# Altium PCB PCB.PcbDoc (part 2 of 2)
Units mm, origin at the board's own origin, x right, y up, seen from the top; angles counter-clockwise.
Board outline 115.57 x 69.85 mm, 6 copper layers (Layer 1, Layer 2, Layer 3, Layer 4, Layer 5, Layer 6), stack 1.114 mm thick; 79 components, 52 nets, 254 pads, 1729 vias.
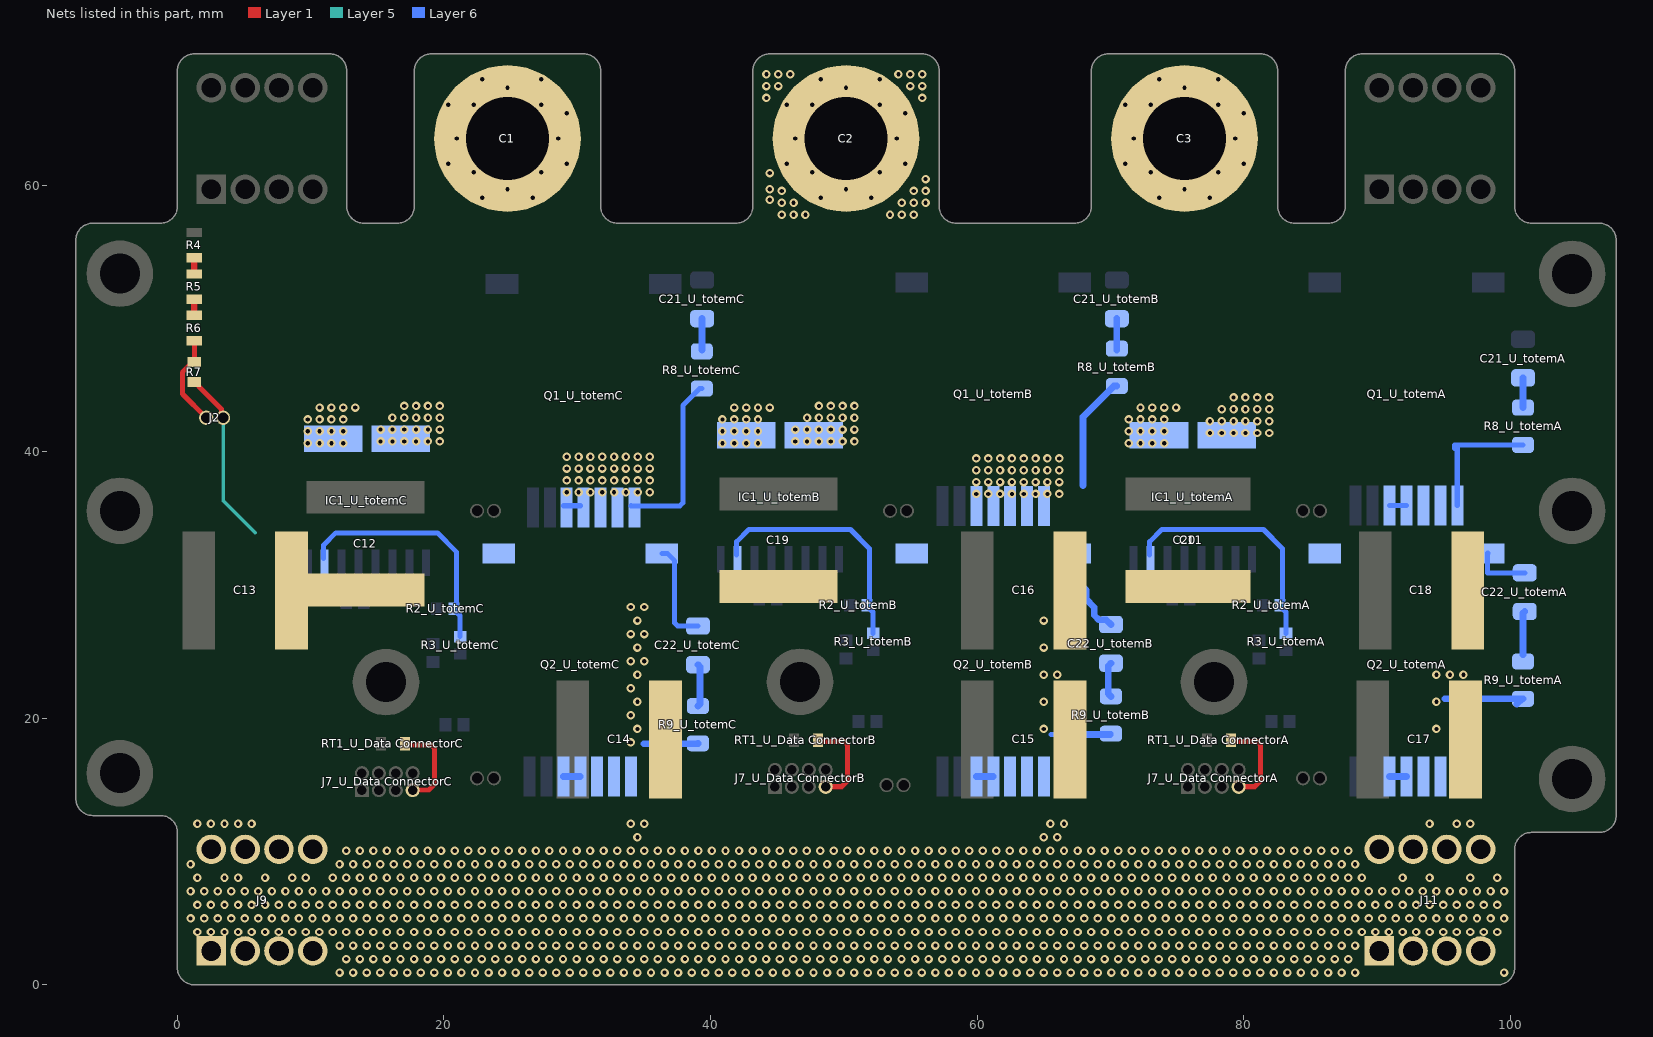
[diagram p6: the nets of this part, all layers, seen from the top]

## Via types
v1: diameter 0.635, hole 0.318, Layer 1 to Layer 6, tented both sides, 1630 vias
v2: diameter 0.635, hole 0.33, Layer 1 to Layer 6, tented both sides, 72 vias
v3: diameter 0.45, hole 0.25, Layer 1 to Layer 6, tented both sides, 15 vias
v4: diameter 0.635, hole 0.33, Layer 1 to Layer 6, 12 vias

## Nets (pads, with @x,y where several pads share a name; then routed paths per layer and width w, separated by ;. In a path a pad name is that pad's centre, name@x,y a point inside that pad or via, vN(x,y) a via of type N, cw(c..) or ccw(c..) an arc to the next point about the centre after c; other vN are vias at no path point) (continued)
HV-_1: C11.2 C12.2 C13.2 C14.2 C15.2 C16.2 C17.2 C18.2 C19.2 C20.2 J2.2 J9.1 J9.2 J9.3 J9.4 J9.5 J9.6 J9.7 J9.8 J11.1 J11.2 J11.3 J11.4 J11.5 J11.6 J11.7 J11.8 Q2_U_totemA.S Q2_U_totemB.S Q2_U_totemC.S R7.1 R9_U_totemA.1 R9_U_totemB.1 R9_U_totemC.1 | length 32.2
  Layer 1 w0.381: R7.1@1.27,45.224 1.395,45.224 1.58,45.039 1.58,44.914 3.298,43.196 3.298,42.676 J2.2@3.429,42.545
  Layer 5 w0.254: J2.2@3.429,42.545 3.429,36.322 5.842,33.909
  Layer 6 w0.381: 65.532,18.796 67.564,18.796 67.57,18.79 ; R9_U_totemB.1@69.992,18.79 R9_U_totemB.1@70.043,18.841
  Layer 6 w0.508: Q2_U_totemC.S@28.956,15.622 Q2_U_totemC.S@30.226,15.622 ; 35.001,18.085 39.055,18.085 R9_U_totemC.1@39.055,18.116 ; Q2_U_totemB.S@59.944,15.622 Q2_U_totemB.S@61.214,15.622 ; 67.57,18.79 R9_U_totemB.1@69.992,18.79 ; Q2_U_totemA.S@90.952,15.628 Q2_U_totemA.S@92.222,15.628 ; 95.12,21.46 R9_U_totemA.1@100.965,21.46 100.898,21.46 R9_U_totemA.1@100.489,21.05
  other v1: 12.167,0.914 13.183,0.914 14.199,0.914 15.215,0.914 16.231,0.914 17.247,0.914 18.263,0.914 19.279,0.914 20.295,0.914 21.311,0.914 22.327,0.914 23.343,0.914 24.359,0.914 25.375,0.914 26.391,0.914 27.407,0.914 28.423,0.914 29.439,0.914 30.455,0.914 31.471,0.914 32.487,0.914 33.503,0.914 34.519,0.914 35.535,0.914 36.551,0.914 37.567,0.914 38.583,0.914 39.599,0.914 40.615,0.914 41.631,0.914 42.647,0.914 43.663,0.914 44.679,0.914 45.695,0.914 46.711,0.914 47.727,0.914 48.743,0.914 49.759,0.914 50.775,0.914 51.791,0.914 52.807,0.914 53.823,0.914 54.839,0.914 55.855,0.914 56.871,0.914 57.887,0.914 58.903,0.914 59.919,0.914 60.935,0.914 61.951,0.914 62.967,0.914 63.983,0.914 64.999,0.914 66.015,0.914 67.031,0.914 68.047,0.914 69.063,0.914 70.079,0.914 71.095,0.914 72.111,0.914 73.127,0.914 74.143,0.914 75.159,0.914 76.175,0.914 77.191,0.914 78.207,0.914 79.223,0.914 80.239,0.914 81.255,0.914 82.271,0.914 83.287,0.914 84.303,0.914 85.319,0.914 86.335,0.914 87.351,0.914 88.367,0.914 99.543,0.914 12.675,1.93 13.691,1.93 14.707,1.93 15.723,1.93 16.739,1.93 17.755,1.93 18.771,1.93 19.787,1.93 20.803,1.93 21.819,1.93 22.835,1.93 23.851,1.93 24.867,1.93 25.883,1.93 26.899,1.93 27.915,1.93 28.931,1.93 29.947,1.93 30.963,1.93 31.979,1.93 32.995,1.93 34.011,1.93 35.027,1.93 36.043,1.93 37.059,1.93 38.075,1.93 39.091,1.93 40.107,1.93 41.123,1.93 42.139,1.93 43.155,1.93 44.171,1.93 45.187,1.93 46.203,1.93 47.219,1.93 48.235,1.93 49.251,1.93 50.267,1.93 51.283,1.93 52.299,1.93 53.315,1.93 54.331,1.93 55.347,1.93 56.363,1.93 57.379,1.93 58.395,1.93 59.411,1.93 60.427,1.93 61.443,1.93 62.459,1.93 63.475,1.93 64.491,1.93 65.507,1.93 66.523,1.93 67.539,1.93 68.555,1.93 69.571,1.93 70.587,1.93 71.603,1.93 72.619,1.93 73.635,1.93 74.651,1.93 75.667,1.93 76.683,1.93 77.699,1.93 78.715,1.93 79.731,1.93 80.747,1.93 81.763,1.93 82.779,1.93 83.795,1.93 84.811,1.93 85.827,1.93 86.843,1.93 87.859,1.93 12.167,2.946 13.183,2.946 14.199,2.946 15.215,2.946 16.231,2.946 17.247,2.946 18.263,2.946 19.279,2.946 20.295,2.946 21.311,2.946 22.327,2.946 23.343,2.946 24.359,2.946 25.375,2.946 26.391,2.946 27.407,2.946 28.423,2.946 29.439,2.946 30.455,2.946 31.471,2.946 32.487,2.946 33.503,2.946 34.519,2.946 35.535,2.946 36.551,2.946 37.567,2.946 38.583,2.946 39.599,2.946 40.615,2.946 41.631,2.946 42.647,2.946 43.663,2.946 44.679,2.946 45.695,2.946 46.711,2.946 47.727,2.946 48.743,2.946 49.759,2.946 50.775,2.946 51.791,2.946 52.807,2.946 53.823,2.946 54.839,2.946 55.855,2.946 56.871,2.946 57.887,2.946 58.903,2.946 59.919,2.946 60.935,2.946 61.951,2.946 62.967,2.946 63.983,2.946 64.999,2.946 66.015,2.946 67.031,2.946 68.047,2.946 69.063,2.946 70.079,2.946 71.095,2.946 72.111,2.946 73.127,2.946 74.143,2.946 75.159,2.946 76.175,2.946 77.191,2.946 78.207,2.946 79.223,2.946 80.239,2.946 81.255,2.946 82.271,2.946 83.287,2.946 84.303,2.946 85.319,2.946 86.335,2.946 87.351,2.946 88.367,2.946 1.499,3.962 2.515,3.962 3.531,3.962 4.547,3.962 5.563,3.962 6.579,3.962 7.595,3.962 8.611,3.962 9.627,3.962 10.643,3.962 11.659,3.962 12.675,3.962 13.691,3.962 14.707,3.962 15.723,3.962 16.739,3.962 17.755,3.962 18.771,3.962 19.787,3.962 20.803,3.962 21.819,3.962 22.835,3.962 23.851,3.962 24.867,3.962 25.883,3.962 26.899,3.962 27.915,3.962 28.931,3.962 29.947,3.962 30.963,3.962 31.979,3.962 32.995,3.962 34.011,3.962 35.027,3.962 36.043,3.962 37.059,3.962 38.075,3.962 39.091,3.962 40.107,3.962 41.123,3.962 42.139,3.962 43.155,3.962 44.171,3.962 45.187,3.962 46.203,3.962 47.219,3.962 48.235,3.962 49.251,3.962 50.267,3.962 51.283,3.962 52.299,3.962 53.315,3.962 54.331,3.962 55.347,3.962 56.363,3.962 57.379,3.962 58.395,3.962 59.411,3.962 60.427,3.962 61.443,3.962 62.459,3.962 63.475,3.962 64.491,3.962 65.507,3.962 66.523,3.962 67.539,3.962 68.555,3.962 69.571,3.962 70.587,3.962 71.603,3.962 72.619,3.962 73.635,3.962 74.651,3.962 75.667,3.962 76.683,3.962 77.699,3.962 78.715,3.962 79.731,3.962 80.747,3.962 81.763,3.962 82.779,3.962 83.795,3.962 84.811,3.962 85.827,3.962 86.843,3.962 87.859,3.962 88.875,3.962 89.891,3.962 90.907,3.962 91.923,3.962 92.939,3.962 93.955,3.962 94.971,3.962 95.987,3.962 97.003,3.962 98.019,3.962 99.035,3.962 0.991,4.978 2.007,4.978 3.023,4.978 4.039,4.978 5.055,4.978 6.071,4.978 7.087,4.978 8.103,4.978 9.119,4.978 10.135,4.978 11.151,4.978 12.167,4.978 13.183,4.978 14.199,4.978 15.215,4.978 16.231,4.978 17.247,4.978 18.263,4.978 19.279,4.978 20.295,4.978 21.311,4.978 22.327,4.978 23.343,4.978 24.359,4.978 25.375,4.978 26.391,4.978 27.407,4.978 28.423,4.978 29.439,4.978 30.455,4.978 31.471,4.978 32.487,4.978 33.503,4.978 34.519,4.978 35.535,4.978 36.551,4.978 37.567,4.978 38.583,4.978 39.599,4.978 40.615,4.978 41.631,4.978 42.647,4.978 43.663,4.978 44.679,4.978 45.695,4.978 46.711,4.978 47.727,4.978 48.743,4.978 49.759,4.978 50.775,4.978 51.791,4.978 52.807,4.978 53.823,4.978 54.839,4.978 55.855,4.978 56.871,4.978 57.887,4.978 58.903,4.978 59.919,4.978 60.935,4.978 61.951,4.978 62.967,4.978 63.983,4.978 64.999,4.978 66.015,4.978 67.031,4.978 68.047,4.978 69.063,4.978 70.079,4.978 71.095,4.978 72.111,4.978 73.127,4.978 74.143,4.978 75.159,4.978 76.175,4.978 77.191,4.978 78.207,4.978 79.223,4.978 80.239,4.978 81.255,4.978 82.271,4.978 83.287,4.978 84.303,4.978 85.319,4.978 86.335,4.978 87.351,4.978 88.367,4.978 89.383,4.978 90.399,4.978 91.415,4.978 92.431,4.978 93.447,4.978 94.463,4.978 95.479,4.978 96.495,4.978 97.511,4.978 98.527,4.978 99.543,4.978 1.499,5.994 2.515,5.994 3.531,5.994 4.547,5.994 5.563,5.994 6.579,5.994 7.595,5.994 8.611,5.994 9.627,5.994 10.643,5.994 11.659,5.994 12.675,5.994 13.691,5.994 14.707,5.994 15.723,5.994 16.739,5.994 17.755,5.994 18.771,5.994 19.787,5.994 20.803,5.994 21.819,5.994 22.835,5.994 23.851,5.994 24.867,5.994 25.883,5.994 26.899,5.994 27.915,5.994 28.931,5.994 29.947,5.994 30.963,5.994 31.979,5.994 32.995,5.994 34.011,5.994 35.027,5.994 36.043,5.994 37.059,5.994 38.075,5.994 39.091,5.994 40.107,5.994 41.123,5.994 42.139,5.994 43.155,5.994 44.171,5.994 45.187,5.994 46.203,5.994 47.219,5.994 48.235,5.994 49.251,5.994 50.267,5.994 51.283,5.994 52.299,5.994 53.315,5.994 54.331,5.994 55.347,5.994 56.363,5.994 57.379,5.994 58.395,5.994 59.411,5.994 60.427,5.994 61.443,5.994 62.459,5.994 63.475,5.994 64.491,5.994 65.507,5.994 66.523,5.994 67.539,5.994 68.555,5.994 69.571,5.994 70.587,5.994 71.603,5.994 72.619,5.994 73.635,5.994 74.651,5.994 75.667,5.994 76.683,5.994 77.699,5.994 78.715,5.994 79.731,5.994 80.747,5.994 81.763,5.994 82.779,5.994 83.795,5.994 84.811,5.994 85.827,5.994 86.843,5.994 87.859,5.994 88.875,5.994 89.891,5.994 90.907,5.994 91.923,5.994 92.939,5.994 93.955,5.994 94.971,5.994 95.987,5.994 97.003,5.994 98.019,5.994 99.035,5.994 0.991,7.01 2.007,7.01 3.023,7.01 4.039,7.01 5.055,7.01 6.071,7.01 7.087,7.01 8.103,7.01 9.119,7.01 10.135,7.01 11.151,7.01 12.167,7.01 13.183,7.01 14.199,7.01 15.215,7.01 16.231,7.01 17.247,7.01 18.263,7.01 19.279,7.01 20.295,7.01 21.311,7.01 22.327,7.01 23.343,7.01 24.359,7.01 25.375,7.01 26.391,7.01 27.407,7.01 28.423,7.01 29.439,7.01 30.455,7.01 31.471,7.01 32.487,7.01 33.503,7.01 34.519,7.01 35.535,7.01 36.551,7.01 37.567,7.01 38.583,7.01 39.599,7.01 40.615,7.01 41.631,7.01 42.647,7.01 43.663,7.01 44.679,7.01 45.695,7.01 46.711,7.01 47.727,7.01 48.743,7.01 49.759,7.01 50.775,7.01 51.791,7.01 52.807,7.01 53.823,7.01 54.839,7.01 55.855,7.01 56.871,7.01 57.887,7.01 58.903,7.01 59.919,7.01 60.935,7.01 61.951,7.01 62.967,7.01 63.983,7.01 64.999,7.01 66.015,7.01 67.031,7.01 68.047,7.01 69.063,7.01 70.079,7.01 71.095,7.01 72.111,7.01 73.127,7.01 74.143,7.01 75.159,7.01 76.175,7.01 77.191,7.01 78.207,7.01 79.223,7.01 80.239,7.01 81.255,7.01 82.271,7.01 83.287,7.01 84.303,7.01 85.319,7.01 86.335,7.01 87.351,7.01 88.367,7.01 89.383,7.01 90.399,7.01 91.415,7.01 92.431,7.01 93.447,7.01 94.463,7.01 95.479,7.01 96.495,7.01 97.511,7.01 98.527,7.01 99.543,7.01 1.499,8.026 3.531,8.026 4.547,8.026 6.579,8.026 8.611,8.026 9.627,8.026 11.659,8.026 12.675,8.026 13.691,8.026 14.707,8.026 15.723,8.026 16.739,8.026 17.755,8.026 18.771,8.026 19.787,8.026 20.803,8.026 21.819,8.026 22.835,8.026 23.851,8.026 24.867,8.026 25.883,8.026 26.899,8.026 27.915,8.026 28.931,8.026 29.947,8.026 30.963,8.026 31.979,8.026 32.995,8.026 34.011,8.026 35.027,8.026 36.043,8.026 37.059,8.026 38.075,8.026 39.091,8.026 40.107,8.026 41.123,8.026 42.139,8.026 43.155,8.026 44.171,8.026 45.187,8.026 46.203,8.026 47.219,8.026 48.235,8.026 49.251,8.026 50.267,8.026 51.283,8.026 52.299,8.026 53.315,8.026 54.331,8.026 55.347,8.026 56.363,8.026 57.379,8.026 58.395,8.026 59.411,8.026 60.427,8.026 61.443,8.026 62.459,8.026 63.475,8.026 64.491,8.026 65.507,8.026 66.523,8.026 67.539,8.026 68.555,8.026 69.571,8.026 70.587,8.026 71.603,8.026 72.619,8.026 73.635,8.026 74.651,8.026 75.667,8.026 76.683,8.026 77.699,8.026 78.715,8.026 79.731,8.026 80.747,8.026 81.763,8.026 82.779,8.026 83.795,8.026 84.811,8.026 85.827,8.026 86.843,8.026 87.859,8.026 88.875,8.026 91.923,8.026 93.955,8.026 97.003,8.026 99.035,8.026 0.991,9.042 12.167,9.042 13.183,9.042 14.199,9.042 15.215,9.042 16.231,9.042 17.247,9.042 18.263,9.042 19.279,9.042 20.295,9.042 21.311,9.042 22.327,9.042 23.343,9.042 24.359,9.042 25.375,9.042 26.391,9.042 27.407,9.042 28.423,9.042 29.439,9.042 30.455,9.042 31.471,9.042 32.487,9.042 33.503,9.042 34.519,9.042 35.535,9.042 36.551,9.042 37.567,9.042 38.583,9.042 39.599,9.042 40.615,9.042 41.631,9.042 42.647,9.042 43.663,9.042 44.679,9.042 45.695,9.042 46.711,9.042 47.727,9.042 48.743,9.042 49.759,9.042 50.775,9.042 51.791,9.042 52.807,9.042 53.823,9.042 54.839,9.042 55.855,9.042 56.871,9.042 57.887,9.042 58.903,9.042 59.919,9.042 60.935,9.042 61.951,9.042 62.967,9.042 63.983,9.042 64.999,9.042 66.015,9.042 67.031,9.042 68.047,9.042 69.063,9.042 70.079,9.042 71.095,9.042 72.111,9.042 73.127,9.042 74.143,9.042 75.159,9.042 76.175,9.042 77.191,9.042 78.207,9.042 79.223,9.042 80.239,9.042 81.255,9.042 82.271,9.042 83.287,9.042 84.303,9.042 85.319,9.042 86.335,9.042 87.351,9.042 88.367,9.042 12.675,10.058 13.691,10.058 14.707,10.058 15.723,10.058 16.739,10.058 17.755,10.058 18.771,10.058 19.787,10.058 20.803,10.058 21.819,10.058 22.835,10.058 23.851,10.058 24.867,10.058 25.883,10.058 26.899,10.058 27.915,10.058 28.931,10.058 29.947,10.058 30.963,10.058 31.979,10.058 32.995,10.058 34.011,10.058 35.027,10.058 36.043,10.058 37.059,10.058 38.075,10.058 39.091,10.058 40.107,10.058 41.123,10.058 42.139,10.058 43.155,10.058 44.171,10.058 45.187,10.058 46.203,10.058 47.219,10.058 48.235,10.058 49.251,10.058 50.267,10.058 51.283,10.058 52.299,10.058 53.315,10.058 54.331,10.058 55.347,10.058 56.363,10.058 57.379,10.058 58.395,10.058 59.411,10.058 60.427,10.058 61.443,10.058 62.459,10.058 63.475,10.058 64.491,10.058 65.507,10.058 66.523,10.058 67.539,10.058 68.555,10.058 69.571,10.058 70.587,10.058 71.603,10.058 72.619,10.058 73.635,10.058 74.651,10.058 75.667,10.058 76.683,10.058 77.699,10.058 78.715,10.058 79.731,10.058 80.747,10.058 81.763,10.058 82.779,10.058 83.795,10.058 84.811,10.058 85.827,10.058 86.843,10.058 87.859,10.058 34.519,11.074 64.999,11.074 66.015,11.074 1.499,12.09 2.515,12.09 3.531,12.09 4.547,12.09 5.563,12.09 34.011,12.09 35.027,12.09 65.507,12.09 66.523,12.09 93.955,12.09 95.987,12.09 97.003,12.09 34.011,18.186 34.519,19.202 64.999,19.202 94.463,19.202 34.011,20.218 34.519,21.234 64.999,21.234 94.463,21.234 34.011,22.25 34.519,23.266 64.999,23.266 66.015,23.266 94.463,23.266 95.479,23.266 96.495,23.266 34.011,24.282 35.027,24.282 34.519,25.298 64.999,25.298 34.011,26.314 35.027,26.314 34.519,27.33 64.999,27.33 34.011,28.346 35.027,28.346
NetC21_U_totemA_1: C21_U_totemA.1 R8_U_totemA.2 | length 2.2
  Layer 6 w0.508: R8_U_totemA.2@100.965,43.31 C21_U_totemA.1@100.965,45.54
NetC21_U_totemB_1: C21_U_totemB.1 R8_U_totemB.2 | length 2.4
  Layer 6 w0.508: R8_U_totemB.2@70.485,47.625 C21_U_totemB.1@70.485,49.985
NetC21_U_totemC_1: C21_U_totemC.1 R8_U_totemC.2 | length 2.4
  Layer 6 w0.508: R8_U_totemC.2@39.37,47.625 C21_U_totemC.1@39.37,49.985
NetC22_U_totemA_1: C22_U_totemA.1 R9_U_totemA.2 | length 3.3
  Layer 6 w0.508: R9_U_totemA.2@100.965,24.765 100.965,27.887 C22_U_totemA.1@101.092,28.014
NetC22_U_totemA_2: C22_U_totemA.2 IC1_U_totemA.2 Q1_U_totemA.S Q2_U_totemA.D R8_U_totemA.1 | length 15.5
  Layer 6 w0.381: Q1_U_totemA.S@90.952,35.948 Q1_U_totemA.S@92.222,35.948 ; Q1_U_totemA.S@96.032,35.948 96.032,40.259 95.834,40.259 95.834,40.51 R8_U_totemA.1@100.965,40.51 ; Q2_U_totemA.D@98.347,32.378 98.298,32.378 98.298,30.914 C22_U_totemA.2@101.092,30.914
  other v1: 77.47,41.402 78.359,41.402 79.248,41.402 80.137,41.402 81.026,41.402 81.915,41.402 77.47,42.291 78.359,42.291 79.248,42.291 80.137,42.291 81.026,42.291 81.915,42.291 78.359,43.18 79.248,43.18 80.137,43.18 81.026,43.18 81.915,43.18 79.248,44.069 80.137,44.069 81.026,44.069 81.915,44.069
NetC22_U_totemB_1: C22_U_totemB.1 R9_U_totemB.2 | length 2.7
  Layer 6 w0.508: R9_U_totemB.2@70.043,21.641 69.85,21.835 69.85,23.941 C22_U_totemB.1@70.043,24.134
NetC22_U_totemB_2: C22_U_totemB.2 IC1_U_totemB.2 Q1_U_totemB.S Q2_U_totemB.D R8_U_totemB.1 | length 15.4
  Layer 6 w0.508: Q2_U_totemB.D@67.339,32.372 67.6,32.111 67.6,30.2 68.2,29.6 68.2,28.894 68.794,28.3 68.794,27.728 69.135,27.386 69.691,27.386 C22_U_totemB.2@70.043,27.034 ; 67.945,37.465 67.945,37.592 67.945,42.616 70.26,44.931 R8_U_totemB.1@70.485,44.931
  other v1: 59.944,36.83 60.833,36.83 61.722,36.83 62.611,36.83 63.5,36.83 64.389,36.83 65.278,36.83 66.167,36.83 59.944,37.719 60.833,37.719 61.722,37.719 62.611,37.719 63.5,37.719 64.389,37.719 65.278,37.719 66.167,37.719 59.944,38.608 60.833,38.608 61.722,38.608 62.611,38.608 63.5,38.608 64.389,38.608 65.278,38.608 66.167,38.608 59.944,39.497 60.833,39.497 61.722,39.497 62.611,39.497 63.5,39.497 64.389,39.497 65.278,39.497 66.167,39.497 46.355,40.767 47.244,40.767 48.133,40.767 49.022,40.767 49.911,40.767 50.8,40.767 46.355,41.656 47.244,41.656 48.133,41.656 49.022,41.656 49.911,41.656 50.8,41.656 47.244,42.545 48.133,42.545 49.022,42.545 49.911,42.545 50.8,42.545 48.133,43.434 49.022,43.434 49.911,43.434 50.8,43.434
NetC22_U_totemC_1: C22_U_totemC.1 R9_U_totemC.2 | length 3.2
  Layer 6 w0.508: R9_U_totemC.2@39.055,20.916 39.213,21.074 39.213,23.865 C22_U_totemC.1@39.055,24.022
NetC22_U_totemC_2: C22_U_totemC.2 IC1_U_totemC.2 Q1_U_totemC.S Q2_U_totemC.D R8_U_totemC.1 | length 22.2
  Layer 6 w0.381: Q1_U_totemC.S@28.956,35.942 Q1_U_totemC.S@30.226,35.942 ; Q1_U_totemC.S@34.036,35.941 37.699,35.941 37.922,36.164 37.922,43.462 38.71,44.25 38.71,44.258 39.179,44.726 R8_U_totemC.1@39.345,44.726 ; Q2_U_totemC.D@36.351,32.372 36.753,32.372 37.313,31.812 37.313,27.145 37.536,26.922 C22_U_totemC.2@39.055,26.922
  other v1: 29.21,36.957 30.099,36.957 30.988,36.957 31.877,36.957 32.766,36.957 33.655,36.957 34.544,36.957 35.433,36.957 29.21,37.846 30.099,37.846 30.988,37.846 31.877,37.846 32.766,37.846 33.655,37.846 34.544,37.846 35.433,37.846 29.21,38.735 30.099,38.735 30.988,38.735 31.877,38.735 32.766,38.735 33.655,38.735 34.544,38.735 35.433,38.735 29.21,39.624 30.099,39.624 30.988,39.624 31.877,39.624 32.766,39.624 33.655,39.624 34.544,39.624 35.433,39.624 15.24,40.767 16.129,40.767 17.018,40.767 17.907,40.767 18.796,40.767 19.685,40.767 15.24,41.656 16.129,41.656 17.018,41.656 17.907,41.656 18.796,41.656 19.685,41.656 16.129,42.545 17.018,42.545 17.907,42.545 18.796,42.545 19.685,42.545 17.018,43.434 17.907,43.434 18.796,43.434 19.685,43.434
NetIC1_U_totemA_9: IC1_U_totemA.9 R2_U_totemA.1 R3_U_totemA.1 | length 18.5
  Layer 6 w0.381: IC1_U_totemA.9@72.949,32.258 72.949,33.249 73.863,34.163 81.483,34.163 82.906,32.741 82.906,28.651 R2_U_totemA.1@82.728,28.473 ; R2_U_totemA.1@82.728,28.423 83.185,27.966 R3_U_totemA.1@83.185,26.38
NetIC1_U_totemB_9: IC1_U_totemB.9 R2_U_totemB.1 R3_U_totemB.1 | length 18.5
  Layer 6 w0.381: IC1_U_totemB.9@41.961,32.258 41.961,33.249 42.875,34.163 50.495,34.163 51.918,32.741 51.918,28.651 R2_U_totemB.1@51.74,28.473 ; R2_U_totemB.1@51.74,28.423 52.197,27.966 R3_U_totemB.1@52.197,26.38
NetIC1_U_totemC_9: IC1_U_totemC.9 R2_U_totemC.1 R3_U_totemC.1 | length 18.5
  Layer 6 w0.381: IC1_U_totemC.9@10.973,32.004 10.973,32.995 11.887,33.909 19.507,33.909 20.93,32.487 20.93,28.397 R2_U_totemC.1@20.752,28.219 ; R2_U_totemC.1@20.752,28.169 21.209,27.712 R3_U_totemC.1@21.209,26.126
"NetJ7_U_Data ConnectorA_07": "J7_U_Data ConnectorA.07" "RT1_U_Data ConnectorA.2" | length 6.9
  Layer 1 w0.381: 79.041,18.339 79.134,18.246 81.031,18.246 81.255,18.023 81.255,15.291 80.823,14.859 79.908,14.859 79.705,14.656
"NetJ7_U_Data ConnectorB_07": "J7_U_Data ConnectorB.07" "RT1_U_Data ConnectorB.2" | length 6.9
  Layer 1 w0.381: 48.053,18.339 48.146,18.246 50.043,18.246 50.267,18.023 50.267,15.291 49.835,14.859 48.92,14.859 48.717,14.656
"NetJ7_U_Data ConnectorC_07": "J7_U_Data ConnectorC.07" "RT1_U_Data ConnectorC.2" | length 6.9
  Layer 1 w0.381: 17.065,18.085 17.158,17.992 19.055,17.992 19.279,17.769 19.279,15.037 18.847,14.605 17.932,14.605 17.729,14.402
NetR4_1: R4.1 R5.2 | length 1.2
  Layer 1 w0.508: R5.2@1.27,53.335 R4.1@1.27,54.549
NetR5_1: R5.1 R6.2 | length 1.2
  Layer 1 w0.508: R6.2@1.27,50.226 R5.1@1.27,51.435
SENSE+: J2.1 R6.1 R7.2 | length 7
  Layer 1 w0.381: R6.1@1.27,48.326 R7.2@1.27,46.724 1.145,46.724 0.376,45.955 0.376,44.328 J2.1@2.159,42.545
U_1: C1.1 IC1_U_totemC.1
  other v1: 9.779,40.64 10.668,40.64 11.557,40.64 12.446,40.64 9.779,41.529 10.668,41.529 11.557,41.529 12.446,41.529 9.779,42.418 10.668,42.418 11.557,42.418 12.446,42.418 10.668,43.307 11.557,43.307 12.446,43.307 13.335,43.307
  other v2: 22.86,59.055 26.67,59.055 24.765,59.69 22.225,60.96 27.305,60.96 20.32,61.595 29.21,61.595 20.955,63.5 29.21,65.405 20.32,66.04 22.225,66.04 27.305,66.04 24.765,67.31 22.86,67.945 27.305,67.945
  other v4: 28.575,63.5
V_1: C2.1 IC1_U_totemB.1
  other v1: 40.894,40.64 41.783,40.64 42.672,40.64 43.561,40.64 40.894,41.529 41.783,41.529 42.672,41.529 43.561,41.529 40.894,42.418 41.783,42.418 42.672,42.418 43.561,42.418 41.783,43.307 42.672,43.307 43.561,43.307 44.45,43.307 45.339,57.785 46.228,57.785 47.117,57.785 53.467,57.785 54.356,57.785 55.245,57.785 45.339,58.674 46.228,58.674 54.356,58.674 55.245,58.674 56.134,58.674 44.45,58.903 45.339,59.563 55.245,59.563 56.134,59.563 44.45,59.69 56.134,60.452 44.45,60.909 44.196,66.548 55.88,66.548 44.196,67.437 45.085,67.437 54.991,67.437 55.88,67.437 44.196,68.326 45.085,68.326 45.974,68.326 54.102,68.326 54.991,68.326 55.88,68.326
  other v2: 48.26,59.055 52.07,59.055 50.165,59.69 47.625,60.96 52.705,60.96 45.72,61.595 54.61,61.595 46.355,63.5 54.61,65.405 45.72,66.04 47.625,66.04 52.705,66.04 50.165,67.31 48.26,67.945 52.705,67.945
  other v4: 53.975,63.5
W_1: C3.1 IC1_U_totemA.1
  other v1: 71.374,40.64 72.263,40.64 73.152,40.64 74.041,40.64 71.374,41.529 72.263,41.529 73.152,41.529 74.041,41.529 71.374,42.418 72.263,42.418 73.152,42.418 74.041,42.418 72.263,43.307 73.152,43.307 74.041,43.307 74.93,43.307
  other v2: 73.66,59.055 77.47,59.055 75.565,59.69 73.025,60.96 78.105,60.96 71.12,61.595 80.01,61.595 71.755,63.5 80.01,65.405 71.12,66.04 73.025,66.04 78.105,66.04 75.565,67.31 73.66,67.945 78.105,67.945
  other v4: 79.375,63.5
pads on no net: "J7_U_Data ConnectorA.06" "J7_U_Data ConnectorA.08" "J7_U_Data ConnectorB.06" "J7_U_Data ConnectorB.08" "J7_U_Data ConnectorC.06" "J7_U_Data ConnectorC.08" C11.1@15.646,22.708 C12.1@46.711,22.733 C13.1@77.775,22.708 IC1_U_totemA.4 IC1_U_totemA.10 IC1_U_totemB.4 IC1_U_totemB.10 IC1_U_totemC.4 IC1_U_totemC.10
copper on no net:
  other v2: 15.646,20.803 77.775,20.803 46.711,20.828 13.741,22.708 17.551,22.708 75.87,22.708 79.68,22.708 44.806,22.733 48.616,22.733
  other v4: 15.646,24.613 77.775,24.613 46.711,24.638

## Polygon pours and split planes (outlines as drawn)
no net on Bottom Solder "NONET_L01_P-001" (solid): 34.925,11.43 34.925,19.05 28.575,19.05 28.575,11.43
no net on Bottom Solder "U_1_L06_P296" (solid): 24.257,56.261 17.526,56.261 18.161,56.896 18.161,70.231 32.131,70.231 32.131,57.531 30.861,56.261
U_1 on Bottom Solder "U_1_L06_P296" (solid, pour order 296): 8.89,40.64 10.16,39.37 13.97,39.37 13.97,42.164 18.161,46.355 20.955,46.355 21.844,47.244 21.844,53.848 22.86,54.864 16.129,54.864 8.89,47.625
no net on Bottom Solder "NONET_L01_P-001" (solid): 54.102,55.88 57.15,58.928 57.15,69.85 41.656,69.85 41.656,55.88
no net on Bottom Solder "NONET_L01_P-001" (solid): 71.628,55.88 68.58,58.928 68.58,69.85 82.55,69.85 82.55,55.88
W_1 on Bottom Solder "Bottom Layer 8-W_1" (solid, pour order 298): 70.79,40.335 71.12,40.005 75.819,40.005 75.819,42.799 80.01,46.99 81.407,46.99 82.55,48.133 82.55,54.61 72.39,54.61 72.644,54.356 72.644,44.348 70.79,42.494
V_1 on Bottom Solder "Bottom Layer 8-V_1" (solid, pour order 297): 39.37,40.005 40.005,39.37 44.958,39.37 44.958,42.672 48.641,46.355 51.689,46.355 52.324,46.99 52.324,54.102 52.578,54.356 41.275,54.356 41.275,43.485 39.37,41.58
no net on Bottom Solder "NONET_L01_P-001" (solid): 97.155,11.43 97.155,18.415 90.805,18.415 90.805,11.43
no net on Bottom Solder "NONET_L01_P-001" (solid): 66.04,11.43 66.04,18.415 59.69,18.415 59.69,11.43
no net on Bottom Solder "NONET_L01_P-001" (solid): 0,11.43 0,0 100.33,0 100.33,11.43
no net on Bottom Solder "NONET_L01_P-001" (solid): 28.702,53.848 22.86,53.848 22.86,51.562 37.592,51.562 37.592,53.848
no net on Bottom Solder "NONET_L01_P-001" (solid): 59.69,53.848 53.848,53.848 53.848,51.562 68.58,51.562 68.58,53.848
no net on Bottom Solder "NONET_L01_P-001" (solid): 90.678,53.594 84.836,53.594 84.836,51.308 99.568,51.308 99.568,53.594
no net on Bottom Solder "NONET_L01_P-001" (solid): 28.702,33.782 22.86,33.782 22.86,31.496 37.592,31.496 37.592,38.354 28.702,38.354
no net on Bottom Solder "NONET_L01_P-001" (solid): 59.69,33.782 53.848,33.782 53.848,31.496 68.58,31.496 68.58,38.354 59.69,38.354
no net on Bottom Solder "NONET_L01_P-001" (solid): 90.678,33.528 84.836,33.528 84.836,31.242 99.568,31.242 99.568,38.1 90.678,38.1
no net on Top Solder "NONET_L01_P-001" (solid): 83.82,71.12 83.82,57.15 16.51,57.15 16.51,71.12
no net on Top Solder "NONET_L01_P-001" (solid): 27.94,34.036 29.21,34.036 29.21,13.97 27.94,13.97
no net on Top Solder "NONET_L01_P-001" (solid): 68.58,45.72 68.58,35.56 71.12,35.56 71.12,38.1 70.485,38.1 70.485,45.72
no net on Top Solder "NONET_L01_P-001" (solid): 38.1,45.72 38.1,35.56 40.64,35.56 40.64,38.1 40.005,38.1 40.005,45.72
no net on Top Solder "NONET_L01_P-001" (solid): 97.155,11.43 97.155,33.655 100.33,33.655 100.33,11.43
no net on Top Solder "NONET_L01_P-001" (solid): 67.31,33.655 67.31,11.43 71.12,11.43 71.12,33.655
no net on Top Solder "NONET_L01_P-001" (solid): 36.83,11.43 36.83,33.655 40.64,33.655 40.64,11.43
no net on Top Solder "NONET_L01_P-001" (solid): 0,11.43 0,0 100.33,0 100.33,11.43 0.635,11.43
no net on Top Solder "NONET_L01_P-001" (solid): 58.42,34.036 59.69,34.036 59.69,13.97 58.42,13.97
no net on Top Solder "NONET_L01_P-001" (solid): 89.535,45.72 89.535,13.97 86.995,13.97 86.995,45.72
no net on Top Solder "NONET_L01_P-001" (solid): 58.42,45.72 58.42,13.97 55.88,13.97 55.88,45.72
no net on Top Solder "NONET_L01_P-001" (solid): 27.94,45.72 27.94,13.97 25.4,13.97 25.4,45.72
no net on Top Solder "NONET_L01_P-001" (solid): 0,69.85 0,58.42 3.175,58.42 3.175,45.72 100.33,45.72 100.33,71.12 87.63,71.12 87.63,55.245 12.7,55.245 12.7,69.85
"GND_U_Data ConnectorB" on Layer 4 "GND_U_DATA_CONNECTORB_L04_P325" (solid, pour order 325): 39.98,34.011 52.984,34.011 52.984,11.887 39.98,11.887
"GND_U_Data ConnectorC" on Layer 4 "GND_U_DATA_CONNECTORC_L04_P324" (solid, pour order 324): 21.971,11.913 21.971,34.011 7.391,34.011 7.391,11.913
"GND_U_Data ConnectorA" on Layer 4 "GND_U_DATA_CONNECTORA_L04_P326" (solid, pour order 326): 70.18,12.065 70.18,34.036 84.252,34.036 84.252,12.065
HV-_1 on Layer 4 "Bottom Layer 8-HV-_1" (solid, pour order 227): 0,43.815 0.635,44.45 5.715,44.45 6.341,43.815 6.341,11.524 6.35,11.43 22.86,11.43 22.86,28.575 23.495,29.21 37.465,29.21 38.1,28.575 38.1,11.43 53.975,11.43 53.975,28.575 54.61,29.21 68.58,29.21 68.58,11.43 85.09,11.43 85.09,28.575 85.725,29.21 99.06,29.21 99.695,28.575 99.695,10.795 100.457,10.795 100.457,-1.27 -3.81,-1.27 -3.81,11.43 0,11.43
NetC22_U_totemA_2 on Layer 4 "NETC22_U_TOTEMA_2_L04_P226" (solid, pour order 226): 85.09,31.115 85.725,30.48 99.06,30.48 99.695,31.115 99.695,45.72 99.06,46.355 80.391,46.355 76.581,42.545 76.581,40.005 81.915,40.005 83.82,38.1 83.82,34.925 85.09,33.655
HV+_1 on Layer 4 "Bottom Layer 8-HV+_1 1" (solid, pour order 237): 7.62,48.26 12.7,53.34 12.7,58.42 0,58.42 0,46.355 0.635,45.72 6.985,45.72 7.62,46.355
HV+_1 on Layer 4 "HV+_1_L04_P234" (solid, pour order 234): 0,58.42 13.335,58.42 13.335,70.485 0,70.485
CHASSIS_L on Layer 4 "CHASSIS_L_L04_P236" (solid, pour order 236): -1.016,57.785 -6.985,57.785 -8.89,55.88 -8.89,11.43 -7.62,10.16 -1.016,10.16
HV+_1 on Layer 4 "Bottom Layer 8-HV+_1" (solid, pour order 233): 83.82,55.245 84.455,55.88 87.63,55.88 87.63,69.85 99.695,69.85 99.695,48.26 99.06,47.625 84.455,47.625 83.82,48.26
CHASSIS_R on Layer 4 "CHASSIS_R_L04_P235" (solid, pour order 235): 103.505,40.005 103.505,49.53 100.965,52.07 100.965,54.61 100.965,57.785 107.315,57.785 109.22,55.88 109.22,11.43 107.95,10.16 100.965,10.16 100.965,14.605 100.965,17.145 103.505,19.685 103.505,31.75 100.965,34.29 100.965,37.465
U_1 on Layer 4 "U_1_L04_P238" (solid, pour order 238): 8.89,40.64 10.16,39.37 13.97,39.37 13.97,42.164 18.161,46.355 20.955,46.355 21.844,47.244 21.844,53.848 23.876,55.88 30.48,55.88 31.75,57.15 31.75,69.85 17.78,69.85 17.78,57.15 8.89,48.26
V_1 on Layer 4 "Bottom Layer 8-V_1" (solid, pour order 239): 39.37,40.005 40.005,39.37 44.958,39.37 44.958,42.672 48.641,46.355 51.689,46.355 52.324,46.99 52.324,54.102 57.15,58.928 57.15,70.485 43.18,70.485 43.18,61.595 41.275,61.595 41.275,43.815 39.37,41.91
W_1 on Layer 4 "Bottom Layer 8-W_1" (solid, pour order 240): 70.485,40.64 71.12,40.005 75.819,40.005 75.819,42.799 80.01,46.99 81.407,46.99 82.55,48.133 82.55,71.12 71.12,71.12 71.12,70.485 67.945,70.485 67.945,59.055 72.644,54.356 72.644,44.704 70.485,42.545
HV+_1 on Layer 4 "HV+_1_L04_P232" (solid, pour order 232): 68.58,54.61 67.945,55.245 55.245,55.245 53.34,53.34 53.34,47.625 53.975,46.99 67.945,46.99 68.58,47.625
NetC22_U_totemB_2 on Layer 4 "NETC22_U_TOTEMB_2_L04_P225" (solid, pour order 225): 67.945,45.72 68.58,45.085 68.58,31.115 67.945,30.48 54.61,30.48 53.975,31.115 53.975,33.02 52.705,34.29 52.705,37.465 50.8,39.37 45.466,39.37 45.466,42.291 48.895,45.72
NetC22_U_totemC_2 on Layer 4 "NETC22_U_TOTEMC_2_L04_P224" (solid, pour order 224): 37.465,45.72 38.1,45.085 38.1,31.115 37.465,30.48 23.495,30.48 22.86,31.115 22.86,33.02 21.59,34.29 21.59,36.83 19.05,39.37 14.478,39.37 14.478,41.91 18.288,45.72
HV+_1 on Layer 4 "HV+_1_L04_P231" (solid, pour order 231): 22.86,47.625 23.495,46.99 37.465,46.99 38.1,47.625 38.1,54.61 37.465,55.245 24.511,55.245 22.86,53.594
HV-_1 on Layer 2 "HV-_1_L02_P178" (solid, pour order 178): 51.689,34.036 53.086,32.639 53.086,11.43 33.02,11.43 33.02,33.02 34.036,34.036
HV-_1 on Layer 2 "HV-_1_L02_P174" (solid, pour order 174): 20.574,34.036 21.946,32.664 21.946,11.43 5.715,11.43 5.715,33.02 6.731,34.036
HV-_1 on Layer 2 "HV-_1_L02_P180" (solid, pour order 180): 82.804,34.036 83.82,33.02 83.82,11.43 64.135,11.43 64.135,33.02 65.151,34.036
HV+_1 on Layer 2 "HV+_1_L02_P181" (solid, pour order 181): 62.23,12.7 62.865,13.335 62.865,35.56 55.88,35.56 53.975,33.655 53.975,13.335 54.61,12.7
HV+_1 on Layer 2 "HV+_1_L02_P179" (solid, pour order 179): 92.075,13.335 92.71,13.97 92.71,48.895 31.75,48.895 31.75,35.56 85.09,35.56 85.09,13.97 85.725,13.335
HV+_1 on Layer 2 "HV+_1_L02_P182" (solid, pour order 182): 99.695,36.83 100.33,37.465 100.33,48.26 92.71,48.26 92.71,36.83
HV+_1 on Layer 2 "HV+_1_L02_P175" (solid, pour order 175): 0.635,13.97 0,14.605 0,48.895 16.192,48.895 16.192,35.56 4.445,35.56 4.445,14.605 3.81,13.97
CHASSIS_R on Layer 2 "CHASSIS_R_L02_P252" (solid, pour order 252): 101.6,57.785 107.315,57.785 109.22,55.88 109.22,11.43 107.95,10.16 101.6,10.16
CHASSIS_L on Layer 2 "CHASSIS_L_L02_P251" (solid, pour order 251): -1.27,57.785 -6.985,57.785 -8.89,55.88 -8.89,11.43 -7.62,10.16 -1.27,10.16
HV-_1 on Layer 2 "HV-_1_L02_P183" (solid, pour order 183): 99.949,34.036 100.33,33.655 100.33,11.43 94.615,11.43 94.615,33.655 94.996,34.036
HV-_1 on Layer 2 "HV-_1_L02_P172" (solid, pour order 172): 0,0 0,11.43 100.33,11.43 100.33,0
HV+_1 on Layer 2 "HV+_1_L02_P032" (solid, pour order 32): 0,69.85 0,48.26 100.33,48.26 100.33,72.39 87.63,72.39 87.63,55.88 12.7,55.88 12.7,69.85
HV+_1 on Layer 2 "HV+_1_L02_P176" (solid, pour order 176): 22.86,13.335 23.495,12.7 31.115,12.7 31.75,13.335 31.75,48.26 15.875,48.26 15.875,35.56 22.86,35.56
HV-_1 on Layer 1 "HV-_1_L01_P214" (solid, pour order 214): 0,12.7 6.35,12.7 6.35,11.43 100.33,11.43 100.33,0 0,0
HV-_1 on Layer 1 "HV-_1_L01_P218" (solid, pour order 218): 51.689,34.036 53.086,32.639 53.086,11.43 33.02,11.43 33.02,33.02 34.036,34.036
HV-_1 on Layer 1 "HV-_1_L01_P215" (solid, pour order 215): 20.574,34.036 21.971,32.639 21.971,11.43 5.715,11.43 5.715,33.02 6.731,34.036
HV-_1 on Layer 1 "HV-_1_L01_P220" (solid, pour order 220): 82.804,34.036 83.82,33.02 83.82,11.43 64.135,11.43 64.135,33.02 65.151,34.036
HV+_1 on Layer 1 "HV+_1_L01_P221" (solid, pour order 221): 62.23,12.7 62.865,13.335 62.865,35.56 55.88,35.56 53.975,33.655 53.975,13.335 54.61,12.7
HV+_1 on Layer 1 "HV+_1_L01_P219" (solid, pour order 219): 92.075,13.335 92.71,13.97 92.71,48.895 31.75,48.895 31.75,35.56 85.09,35.56 85.09,13.97 85.725,13.335
V_1 on Layer 1 "NONET_L01_P-001" (solid, pour order 321): 57.15,69.85 57.15,57.15 43.18,57.15 43.18,69.85
U_1 on Layer 1 "NONET_L01_P-001" (solid, pour order 322): 31.75,69.85 31.75,57.15 17.78,57.15 17.78,69.85
W_1 on Layer 1 "NONET_L01_P-001" (solid, pour order 320): 82.55,69.85 82.55,57.15 68.58,57.15 68.58,69.85
HV+_1 on Layer 1 "HV+_1_L01_P222" (solid, pour order 222): 99.695,36.83 100.33,37.465 100.33,48.26 92.71,48.26 92.71,36.83
HV+_1 on Layer 1 "HV+_1_L01_P216" (solid, pour order 216): 3.175,48.895 3.175,45.72 5.08,43.815 5.08,41.275 3.81,40.005 0,40.005 0,14.605 0.635,13.97 3.81,13.97 4.445,14.605 4.445,35.56 16.192,35.56 16.192,48.895
CHASSIS_R on Layer 1 "CHASSIS_R_L01_P250" (solid, pour order 250): 101.6,57.785 107.315,57.785 109.22,55.88 109.22,11.43 107.95,10.16 101.6,10.16
HV-_1 on Layer 1 "HV-_1_L01_P223" (solid, pour order 223): 99.949,34.036 100.33,33.655 100.33,11.43 94.615,11.43 94.615,33.655 94.996,34.036
HV+_1 on Layer 1 "HV+_1_L01_P213" (solid, pour order 213): 0,55.88 3.175,55.88 3.175,48.26 100.33,48.26 100.33,72.39 87.63,72.39 87.63,55.245 12.7,55.245 12.7,69.85 0,69.85
CHASSIS_L on Layer 1 "CHASSIS_L_L01_P205" (solid, pour order 205): -1.27,57.785 -6.985,57.785 -8.89,55.88 -8.89,11.43 -7.62,10.16 -1.27,10.16
HV+_1 on Layer 1 "HV+_1_L01_P217" (solid, pour order 217): 22.86,13.335 23.495,12.7 31.115,12.7 31.75,13.335 31.75,48.26 15.875,48.26 15.875,35.56 22.86,35.56
"GND_U_Data ConnectorB" on Layer 3 "GND_U_DATA_CONNECTORB_L03_P167" (solid, pour order 167): 41.275,35.56 41.275,12.7 52.984,12.7 52.984,35.56
"GND_U_Data ConnectorC" on Layer 3 "GND_U_DATA_CONNECTORC_L03_P166" (solid, pour order 166): 8.89,35.56 8.89,12.7 21.971,12.7 21.971,35.56
"GND_U_Data ConnectorA" on Layer 3 "GND_U_DATA_CONNECTORA_L03_P168" (solid, pour order 168): 72.39,35.56 72.39,12.7 83.82,12.7 83.82,35.56
HV-_1 on Layer 3 "HV-_1_L03_P212" (solid, pour order 212): 0.189,56.515 99.695,56.515 99.695,37.465 0.022,37.465
HV-_1 on Layer 3 "Layer 7-HV-_1" (solid, pour order 169): 99.695,34.29 102.87,31.115 102.87,20.32 99.695,17.145 99.695,10.16 100.457,10.16 100.457,-2.54 -3.81,-2.54 -3.81,10.16 0,10.16 0,55.88 7.62,55.88 7.62,11.43 22.86,11.43 22.86,55.88 40.005,55.88 40.005,11.43 53.975,11.43 53.975,55.88 71.12,55.88 71.12,11.43 85.09,11.43 85.09,55.88 99.695,55.88 99.695,52.705 102.87,49.53 102.87,40.64 99.695,37.465
"GND_U_Data ConnectorB" on Layer 5 "GND_U_DATA_CONNECTORB_L05_P242" (solid, pour order 242): 41.275,35.56 41.275,12.7 53.035,12.7 53.035,35.56
"GND_U_Data ConnectorC" on Layer 5 "GND_U_DATA_CONNECTORC_L05_P241" (solid, pour order 241): 8.89,35.56 8.89,12.7 21.971,12.7 21.971,35.56
"GND_U_Data ConnectorA" on Layer 5 "GND_U_DATA_CONNECTORA_L05_P243" (solid, pour order 243): 72.39,35.56 72.39,12.7 83.82,12.7 83.82,35.56
HV-_1 on Layer 5 "HV-_1_L05_P245" (solid, pour order 245): 0.189,56.515 99.695,56.515 99.695,37.465 0.022,37.465
HV-_1 on Layer 5 "Layer 7-HV-_1" (solid, pour order 244): 99.695,34.29 102.87,31.115 102.87,20.32 99.695,17.145 99.695,10.16 100.457,10.16 100.457,-2.54 -3.81,-2.54 -3.81,10.16 0,10.16 0,55.88 7.62,55.88 7.62,11.43 22.86,11.43 22.86,55.88 40.005,55.88 40.005,11.43 53.975,11.43 53.975,55.88 71.12,55.88 71.12,11.43 85.09,11.43 85.09,55.88 99.695,55.88 99.695,52.705 102.87,49.53 102.87,40.64 99.695,37.465
"GND_U_Data ConnectorA" on Layer 6 "GND_U_DATA_CONNECTORA_L06_P332" (solid, pour order 332): 69.6,13.1 70.1,12.6 84.1,12.6 84.1,33.6 83.9,33.8 82.2,35.7 69.6,35.7
"GND_U_Data ConnectorB" on Layer 6 "GND_U_DATA_CONNECTORB_L06_P331" (solid, pour order 331): 40.5,12.5 40.7,12.3 53.4,12.3 53.4,34.1 51.6,35.9 40.1,35.9 38.5,34.3 38.5,12.4 40.4,12.4
"GND_U_Data ConnectorC" on Layer 6 "GND_U_DATA_CONNECTORC_L06_P330" (solid, pour order 330): 22.5,12.065 22.5,32.11 19.05,35.56 7.62,35.56 7.62,12.065
HV-_1 on Layer 6 "Bottom Layer 8-HV-_1" (solid, pour order 319): 0,43.815 0.635,44.45 5.715,44.45 6.341,43.815 6.341,11.524 6.35,11.43 23.495,11.43 23.495,29.21 35.56,29.21 35.56,11.43 54.61,11.43 54.61,29.21 66.675,29.21 66.675,11.43 85.09,11.43 85.09,28.575 85.725,29.21 97.79,29.21 97.79,10.795 100.457,10.795 100.457,-1.27 -3.81,-1.27 -3.81,11.43 0,11.43
NetC22_U_totemB_2 on Layer 6 "NETC22_U_TOTEMB_2_L06_P286" (solid, pour order 286): 46.228,39.116 45.72,39.624 45.72,42.545 48.895,45.72 67.945,45.72 68.58,45.085 68.58,31.115 67.945,30.48 54.61,30.48 54.61,33.655 52.705,35.56 52.705,37.465 51.054,39.116
V_1 on Layer 6 "Bottom Layer 8-V_1" (solid, pour order 317): 44.704,39.624 44.196,39.116 40.259,39.116 39.37,40.005 39.37,41.58 41.275,43.485 41.275,61.595 43.18,61.595 43.18,70.485 57.15,70.485 57.15,58.928 52.324,54.102 52.324,46.99 48.26,46.99 44.704,43.434
U_1 on Layer 6 "U_1_L06_P316" (solid, pour order 316): 13.716,39.624 13.208,39.116 10.414,39.116 8.89,40.64 8.89,47.625 17.78,56.515 17.78,69.85 31.75,69.85 31.75,57.15 30.48,55.88 23.876,55.88 21.844,53.848 21.844,47.244 21.59,46.99 17.78,46.99 13.716,42.926
NetC22_U_totemC_2 on Layer 6 "NETC22_U_TOTEMC_2_L06_P285" (solid, pour order 285): 15.24,39.116 14.732,39.624 14.732,42.164 18.288,45.72 37.465,45.72 38.1,45.085 38.1,31.115 37.465,30.48 23.495,30.48 22.86,31.115 22.86,34.29 21.59,35.56 21.59,36.83 19.304,39.116
W_1 on Layer 6 "Bottom Layer 8-W_1" (solid, pour order 318): 75.692,40.132 75.184,39.624 71.501,39.624 70.79,40.335 70.79,42.494 72.644,44.348 72.644,54.356 67.945,59.055 67.945,70.485 71.12,70.485 71.12,71.12 82.55,71.12 82.55,48.133 82.042,47.625 80.01,47.625 75.692,43.307
HV+_1 on Layer 6 "HV+_1_L06_P289" (solid, pour order 289): 22.86,47.625 23.495,46.99 37.465,46.99 37.465,54.61 25.11,54.61 22.86,52.36
HV+_1 on Layer 6 "Bottom Layer 8-HV+_1 1" (solid, pour order 295): 7.62,48.616 12.7,53.696 12.7,58.42 0,58.42 0,47.244 1.524,45.72 6.985,45.72 7.62,46.355
CHASSIS_L on Layer 6 "CHASSIS_L_L06_P294" (solid, pour order 294): -2.032,57.785 -6.985,57.785 -8.89,55.88 -8.89,11.43 -7.62,10.16 -2.032,10.16
CHASSIS_R on Layer 6 "CHASSIS_R_L06_P293" (solid, pour order 293): 103.505,40.005 103.505,49.53 101.6,51.435 101.6,57.785 107.315,57.785 109.22,55.88 109.22,11.43 107.95,10.16 101.854,10.16 101.854,18.034 103.505,19.685 103.505,31.75 101.6,33.655 101.6,38.1
HV+_1 on Layer 6 "HV+_1_L06_P292" (solid, pour order 292): 0,58.42 13.335,58.42 13.335,70.485 0,70.485
HV+_1 on Layer 6 "Bottom Layer 8-HV+_1" (solid, pour order 291): 83.82,55.245 84.455,55.88 87.63,55.88 87.63,69.85 99.695,69.85 99.695,48.26 99.06,47.625 84.455,47.625 83.82,48.26
HV+_1 on Layer 6 "HV+_1_L06_P290" (solid, pour order 290): 67.945,55.245 56.245,55.245 53.34,52.34 53.34,47.625 53.975,46.99 67.945,46.99
NetC22_U_totemA_2 on Layer 6 "NETC22_U_TOTEMA_2_L06_P287" (solid, pour order 287): 77.216,39.624 76.708,40.132 76.708,42.672 80.391,46.355 96.52,46.355 97.155,45.72 97.155,43.18 99.695,40.64 99.695,30.48 85.725,30.48 85.09,31.115 85.09,34.29 83.82,35.56 83.82,38.1 82.296,39.624

## Silkscreen, mask and mechanical layers (free items; w line width, h text height)
Top Overlay:
  text "HV3" at 5.08,44.507 h2.54 r270
  text "U PHASE" at 24.879,44.45 h2.54 r180
  text "V PHASE" at 53.454,44.45 h2.54 r180
  text "W PHASE" at 80.759,44.45 h2.54 r180
Bottom Overlay:
  text "FC" at -5.397,28.575 h1.52
Board Outline:
  lines w0.254: -7.62,13.97 ccw(c-6.35,13.97) -6.35,12.7 -1.27,12.7 cw(c-1.27,11.43) 0,11.43 0,1.27 ccw(c1.27,1.27) 1.27,0 1.905,0 99.06,0 ccw(c99.06,1.27) 100.33,1.27 100.33,10.16 cw(c101.6,10.16) 101.6,11.43 105.41,11.43 106.68,11.43 ccw(c106.68,12.7) 107.95,12.7 107.95,55.88 ccw(c106.68,55.88) 106.68,57.15 105.41,57.15 101.6,57.15 cw(c101.6,58.42) 100.33,58.42 100.33,68.58 ccw(c99.06,68.58) 99.06,69.85 88.9,69.85 ccw(c88.9,68.58) 87.63,68.58 87.63,58.42 cw(c86.36,58.42) 86.36,57.15 83.82,57.15 cw(c83.82,58.42) 82.55,58.42 82.55,68.58 ccw(c81.28,68.58) 81.28,69.85 69.85,69.85 ccw(c69.85,68.58) 68.58,68.58 68.58,58.42 cw(c67.31,58.42) 67.31,57.15 58.42,57.15 cw(c58.42,58.42) 57.15,58.42 57.15,68.58 ccw(c55.88,68.58) 55.88,69.85 44.45,69.85 ccw(c44.45,68.58) 43.18,68.58 43.18,58.42 cw(c41.91,58.42) 41.91,57.15 33.02,57.15 cw(c33.02,58.42) 31.75,58.42 31.75,68.58 ccw(c30.48,68.58) 30.48,69.85 19.05,69.85 ccw(c19.05,68.58) 17.78,68.58 17.78,58.42 cw(c16.51,58.42) 16.51,57.15 13.97,57.15 cw(c13.97,58.42) 12.7,58.42 12.7,68.58 ccw(c11.43,68.58) 11.43,69.85 1.27,69.85 ccw(c1.27,68.58) 0,68.58 0,62.23 0,58.42 cw(c-1.27,58.42) -1.27,57.15 -6.35,57.15 ccw(c-6.35,55.88) -7.62,55.88 -7.62,13.97

## Text inside footprints (layer, text, board x,y; h text height)
Q1_U_totemA: Bottom Overlay "1" at 87.462,35.628 h1
Q1_U_totemB: Bottom Overlay "1" at 56.454,35.621 h1
Q1_U_totemC: Bottom Overlay "1" at 25.72,35.494 h1
Q2_U_totemA: Bottom Overlay "1" at 87.462,15.308 h1
Q2_U_totemB: Bottom Overlay "1" at 56.454,15.301 h1
Q2_U_totemC: Bottom Overlay "1" at 25.466,15.301 h1